# Altium PCB MB1364.PcbDoc (part 1 of 4) (continued)
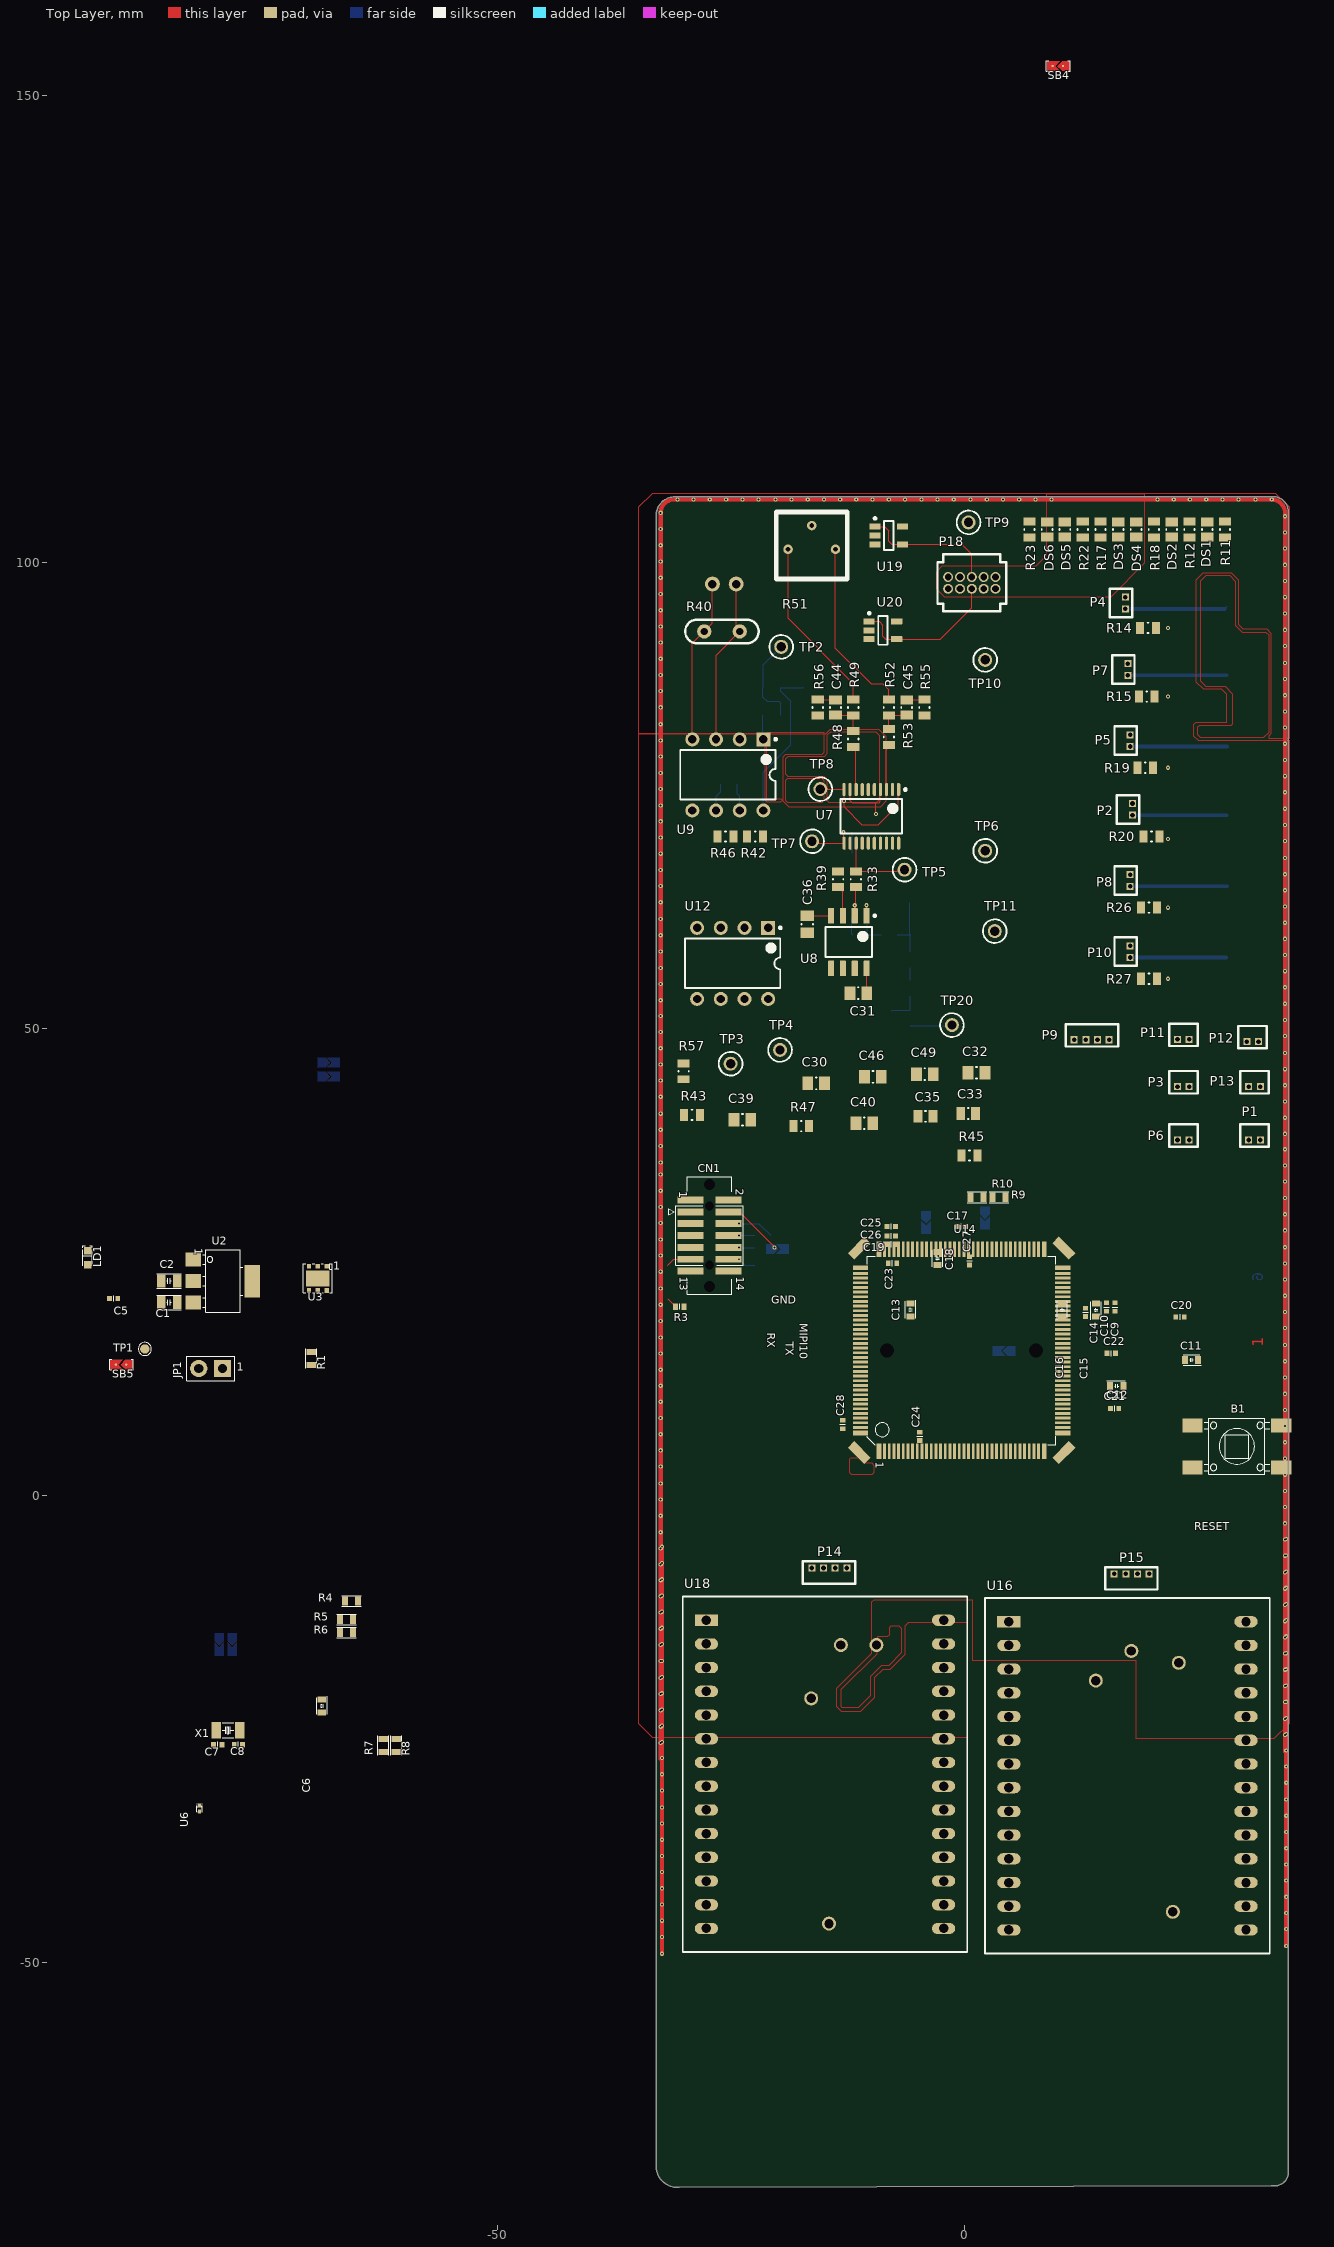
[diagram p0: Top Layer view]
## Classes and differential pairs
component class U_Levels: C50 C51 C52 C53 C54 C55 C56 C57 P14 P15 R58 R59 R60 R61 R62 R64 R65 R66 R67 R69 R70 R73 R74 R75 R77 R78 R79 R81 R82 R83 R84 TP12 TP13 TP14 TP15 TP16 TP17 TP18 TP19 U15 U16 U17 U18
component class U_SynchDemod: C29 C30 C31 C32 C33 C34 C35 C36 C37 C38 C39 C40 C41 C42 C44 C45 C46 C47 C48 C49 C58 C59 C60 C61 P17 P18 R31 R32 R33 R34 R35 R36 R37 R39 R40 R41 R42 R43 R44 R45 R46 R47 R48 R49 R51 R52 R53 R55 R56 R57 TP2 TP3 TP4 TP5 TP6 TP7 TP8 TP9 TP10 TP11 TP20 U7 U8 U9 U10 U11 U12 U13 U19 U20
component class U_Heater: DS1 DS2 DS3 DS4 DS5 DS6 P1 P2 P3 P4 P5 P6 P7 P8 P9 P10 P11 P12 P13 Q1 Q2 Q3 Q4 Q5 Q6 R11 R12 R13 R14 R15 R16 R17 R18 R19 R20 R21 R22 R23 R24 R25 R26 R27 R28 R29 R30
component class U_Connectors: SB1 SB3
component class U_MCU_144_IOs: B1 C6 C7 C8 HW3 HW9 HW11 R4 R5 R6 R7 R8 SB6 SB7 U6 U14 X1
component class U_MCU_144_POWER: C9 C10 C11 C12 C13 C14 C15 C16 C17 C18 C19 C20 C21 C22 C23 C24 C25 C26 C27 C28 HW13 R9 R10 SB8 SB9 SB10 SB11
component class U_Power_Board: C1 C2 C5 HW4 HW12 JP1 LD1 R1 SB4 SB5 TP1 U2 U3
component class U_ST_LINK_V3E: CN1 HW7 HW8 R3 U4 U5
net class PA[0..15]: PA0 PA1 PA2 PA3 PA4 PA5 PA6 PA7 PA8 PA9 PA10 PA11 PA12 PA13 PA14 PA15
net class PB[0..15]: PB0 PB1 PB2 PB3 PB4 PB5 PB6 PB7 PB8 PB9 PB10 PB11 PB12 PB13 PB14 PB15
net class PC[0..15]: PC0 PC1 PC2 PC3 PC4 PC5 PC6 PC7 PC8 PC9 PC10 PC11 PC12 PC13 PC14 PC15
net class PD[0..15]: PD0 PD1 PD2 PD3 PD4 PD5 PD6 PD7 PD8 PD9 PD10 PD11 PD12 PD13 PD14 PD15
net class PE[0..15]: PE0 PE1 PE2 PE3 PE4 PE5 PE6 PE7 PE8 PE9 PE10 PE11 PE12 PE13 PE14 PE15
net class PF[0..15]: PF0 PF1 PF2 PF3 PF4 PF5 PF6 PF7 PF8 PF9 PF10 PF11 PF12 PF13 PF14 PF15
net class PG[0..15]: PG0 PG1 PG2 PG3 PG4 PG5 PG6 PG7 PG8 PG9 PG10 PG11 PG12 PG13 PG14 PG15

## Components (designator, comment, footprint, x,y, rotation, side; value= is the part's Value field where it differs from the comment)
B1 "SW-PUSH-CMS" SWI_WEALTHMETAL_TD-0341_4P_BLACK 29.21,5.283 r270 top value=SWITCH
C1 "Capacitor" C0805 -85.165,20.707 r0 top value=10uF
C2 "Capacitor" C0805 -85.165,23.007 r0 top value=10uF
C5 "Capacitor" C0402 -91.11,21.122 r180 top value=100nF
C6 "Capacitor" C0603 -68.801,-22.516 r90 top value=100nF
C7 "Capacitor" C0402 -79.951,-26.666 r180 top value=5.1pF
C8 "Capacitor" C0402 -77.751,-26.666 r0 top value=5.1pF
C9 "Capacitor" C0402 16.144,20.215 r270 top value=100nF
C10 "Capacitor" C0402 15.244,20.215 r270 top value=100nF
C11 "Capacitor" C0603 24.345,14.54 r0 top value=2.2uF
C12 "Capacitor" C0603 16.344,11.746 r180 top value=2.2uF
C13 "Capacitor" C0603 -5.756,19.915 r90 top value=1uF
C14 "Capacitor" C0603 14.119,19.89 r270 top value=1uF
C15 "Capacitor" C0402 12.994,19.64 r90 top value=100nF
C16 "Capacitor" C0603 10.519,19.89 r270 top value=1uF
C17 "Capacitor" C0402 -0.318,28.84 r0 top value=100nF
C18 "Capacitor" C0603 -2.858,25.411 r90 top value=4.7uF
C19 "Capacitor" C0402 -7.811,26.935 r0 top value=100nF
C20 "Capacitor" C0402 23.126,19.137 r180 top value=100nF
C21 "Capacitor" C0402 16.116,9.333 r180 top value=100nF
C22 "Capacitor" C0402 15.76,15.251 r180 top value=100nF
C23 "Capacitor" C0402 -7.684,24.903 r0 top value=100nF
C24 "Capacitor" C0402 -4.763,6.361 r270 top value=100nF
C25 "Capacitor" C0402 -7.811,28.84 r0 top value=100nF
C26 "Capacitor" C0402 -7.811,27.824 r0 top value=100nF
C27 "Capacitor" C0402 0.571,25.157 r90 top value=100nF
C28 "Capacitor" C0402 -13.018,7.631 r270 top value=100nF
C29 "470nF" CAPC0805(2012)75_L -11.214,60.071 r0 bottom
C30 "CAP CER 0.1UF 25V X7R 0805" CAPC0805(2012)145_N -15.85,44.171 r0 top
C31 "CAP CER 0.1UF 25V X7R 0805" CAPC0805(2012)145_N -11.341,53.848 r180 top
C32 "CAP CER 0.1UF 25V X7R 0805" CAPC0805(2012)145_N 1.321,45.314 r0 top
C33 "1u" CAPC0805(2012)75_L 0.432,40.945 r180 top
C34 "1u" CAPC0805(2012)75_L -7.785,51.181 r90 bottom
C35 "1u" CAPC0805(2012)75_L -4.14,40.64 r180 top
C36 "CAP CER 0.1UF 25V X7R 0805" CAPC0805(2012)145_N -16.802,61.214 r270 top
C37 ".1u" CAPC0805(2012)75_L -4.991,60.071 r180 bottom
C38 "CAP CER 0.1UF 25V X7R 0805" CAPC0805(2012)145_N -25.184,76.2 r180 bottom
C39 "CAP CER 0.1UF 25V X7R 0805" CAPC0805(2012)145_N -23.749,40.284 r180 top
C40 "Multilayer Ceramic Capacitors MLCC - SMD/SMT 0.01uF 50volts 10% X7R" CAPC0805(2012)145_N -10.693,39.903 r0 top
C41 "CAP CER 0.1UF 25V X7R 0805" CAPC0805(2012)145_N -11.087,68.834 r0 bottom
C42 "CAP CER 0.1UF 25V X7R 0805" CAPC0805(2012)145_N -17.183,85.725 r90 bottom
C44 "CAP CER 1UF 25V X7R 0805" CAPC0805(2012)155_L -13.785,84.45 r270 top
C45 "CAP CER 1UF 25V X7R 0805" CAPC0805(2012)155_L -6.165,84.45 r270 top
C46 "CAP CER 0.1UF 25V X7R 0805" CAPC0805(2012)145_N -9.779,44.856 r0 top
C47 "CAP CER 0.1UF 25V X7R 0805" CAPC0805(2012)145_N -24.93,55.753 r180 bottom
C48 "CAP CER 0.1UF 25V X7R 0805" CAPC0805(2012)145_N -28.74,65.913 r180 bottom
C49 "Multilayer Ceramic Capacitors MLCC - SMD/SMT 0.01uF 50volts 10% X7R" CAPC0805(2012)145_N -4.216,45.161 r0 top
C50 "22uF" CAPC0805(2012)145_N 26.478,-14.32 r180 bottom
C51 "CAP CER 0.1UF 25V X7R 0805" CAPC0805(2012)145_N -5.907,-28.29 r270 bottom
C52 "CAP CER 0.1UF 25V X7R 0805" CAPC0805(2012)145_N 24.893,-34.407 r180 bottom
C53 "22uF" CAPC0805(2012)145_N 10.288,-29.962 r180 bottom
C54 "22uF" CAPC0805(2012)145_N -5.272,-14.955 r270 bottom
C55 "CAP CER 0.1UF 25V X7R 0805" CAPC0805(2012)145_N -6.222,-33.772 r180 bottom
C56 "CAP CER 0.1UF 25V X7R 0805" CAPC0805(2012)145_N -20.827,-26.787 r180 bottom
C57 "22uF" CAPC0805(2012)145_N -10.032,-22.342 r180 bottom
C58 "CAP CER 0.1UF 25V X7R 0805" CAPC0805(2012)145_N -7.435,103.5 r0 bottom
C59 "CAP CER 0.1UF 25V X7R 0805" CAPC0805(2012)145_N -8.205,93.34 r0 bottom
C60 "CAP CER 0.1UF 25V X7R 0805" CAPC0805(2012)145_N -3.625,90.8 r180 bottom
C61 "CAP CER 0.1UF 25V X7R 0805" CAPC0805(2012)145_N -2.832,104.394 r180 bottom
CN1 "Header 7x2" CON_STDC14_Receiver_MEDIUM_WITH_MIPI10_3D -27.291,27.874 r270 top value="MIPI10 on STDC14 footprint"
DS1 "LTST-S220KRKT" 0805C_L 26.035,103.505 r90 top
DS2 "LTST-S220KRKT" 0805C_L 22.225,103.505 r90 top
DS3 "LTST-S220KRKT" 0805C_L 16.51,103.505 r90 top
DS4 "LTST-S220KRKT" 0805C_L 18.415,103.505 r90 top
DS5 "LTST-S220KRKT" 0805C_L 10.795,103.505 r90 top
DS6 "LTST-S220KRKT" 0805C_L 8.89,103.505 r90 top
JP1 "Jumper_Header 2x1 Fitted" CON_SAMTEC_TSW-102-07-G-S -80.721,13.629 r180 top value="Shunt Fitted"
LD1 "LED_green" LED_0603_OSRAM_LG-Q396-PS-35_GREEN_1A2K_H0P4 -93.904,25.49 r90 top value=GREEN
P1 "0530470210" 0530470210 30.48,38.1 r0 top
P2 "0530470210" 0530470210 18.034,72.898 r90 top
P3 "0530470210" 0530470210 22.86,43.815 r0 top
P4 "0530470210" 0530470210 17.272,94.996 r90 top
P5 "0530470210" 0530470210 17.78,80.264 r90 top
P6 "0530470210" 0530470210 22.86,38.1 r0 top
P7 "0530470210" 0530470210 17.526,87.884 r90 top
P8 "0530470210" 0530470210 17.78,65.278 r90 top
P9 "0530470410" 0530470410 11.786,48.844 r0 top
P10 "0530470210" 0530470210 17.78,57.658 r90 top
P11 "0530470210" 0530470210 22.86,48.895 r0 top
P12 "0530470210" 0530470210 30.277,48.641 r0 top
P13 "0530470210" 0530470210 30.48,43.815 r0 top
P14 "0530470410" 0530470410 -12.572,-7.737 r180 top
P15 "0530470410" 0530470410 19.813,-8.372 r180 top
P17 "SSW-102-02-G-S-RA" SSW-102-02-G-S-RA -26.962,97.663 r0 bottom
P18 "FTSH-105-01-L-D-K" FTSH-105-01-XXX-D-K 0.82,97.785 r0 top
Q1 "NTD4804NT4G" ONSC-DPAK-3-369AA-01_V 25.4,95.29 r0 bottom
Q2 "NTD4804NT4G" ONSC-DPAK-3-369AA-01_V 25.4,87.79 r0 bottom
Q3 "NTD4804NT4G" ONSC-DPAK-3-369AA-01_V 25.4,80.29 r0 bottom
Q4 "NTD4804NT4G" ONSC-DPAK-3-369AA-01_V 25.4,72.79 r0 bottom
Q5 "NTD4804NT4G" ONSC-DPAK-3-369AA-01_V 25.4,65.29 r0 bottom
Q6 "NTD4804NT4G" ONSC-DPAK-3-369AA-01_V 25.4,57.79 r0 bottom
R1 "Resistor" R0603 -69.952,14.721 r270 top value=620R
R3 "Resistor" R0402 -30.466,20.254 r180 top value=100R
R4 "Resistor" R0603 -65.625,-11.275 r180 top value=10K
R5 "Resistor" R0603 -66.175,-13.25 r180 top value=10K
R6 "Resistor" R0603 -66.175,-14.65 r180 top value=10K
R7 "Resistor" R0603 -62.23,-26.735 r270 top value=0R
R8 "Resistor" R0603 -60.83,-26.735 r270 top value=0R
R9 "Resistor" R0603 3.73,31.965 r180 top value=0R
R10 "Resistor" R0603 1.38,31.965 r180 top value=0R
R11 "4.99K" RESC0805(2012)_L 27.94,103.505 r90 top
R12 "4.99K" RESC0805(2012)_L 24.13,103.505 r90 top
R13 "6.98K" RESC0805(2012)_N 31.105,39.775 r180 bottom
R14 "75" RESC0805(2012)_L 19.685,92.964 r0 top
R15 "75" RESC0805(2012)_L 19.558,85.598 r180 top
R16 "6.98K" RESC0805(2012)_N 23.495,46.355 r180 bottom
R17 "4.99K" RESC0805(2012)_L 14.605,103.505 r90 top
R18 "4.99K" RESC0805(2012)_L 20.32,103.505 r90 top
R19 "75" RESC0805(2012)_L 19.4,77.978 r0 top
R20 "75" RESC0805(2012)_L 20.066,70.612 r0 top
R21 "6.98K" RESC0805(2012)_N 23.495,40.64 r180 bottom
R22 "4.99K" RESC0805(2012)_L 12.7,103.505 r90 top
R23 "4.99K" RESC0805(2012)_L 6.985,103.505 r90 top
R24 "6.98K" RESC0805(2012)_N 14.961,44.78 r180 bottom
R25 "6.98K" RESC0805(2012)_N 10.795,45.085 r180 bottom
R26 "75" RESC0805(2012)_L 19.812,62.992 r0 top
R27 "75" RESC0805(2012)_L 19.812,55.372 r0 top
R28 "6.98K" RESC0805(2012)_N 23.495,50.8 r180 bottom
R29 "6.98K" RESC0805(2012)_N 30.48,51.435 r180 bottom
R30 "6.98K" RESC0805(2012)_N 31.115,45.72 r180 bottom
R31 "300K" RESC0805(2012)_L -11.214,61.976 r180 bottom
R32 "100k" RESC0805(2012)_L -4.991,63.5 r0 bottom
R33 "18.2K" RESC0805(2012)_L -11.595,66.04 r90 top
R34 "511k" RESC0805(2012)_L -8.039,60.071 r180 bottom
R35 "20k" RESC0805(2012)_L -5.753,57.404 r90 bottom
R36 "20k" RESC0805(2012)_L -5.753,54.356 r90 bottom
R37 "20k" RESC0805(2012)_L -5.753,51.181 r90 bottom
R39 "33K" RESC0805(2012)_L -13.5,66.04 r270 top
R40 "TBD" VH102K -24.041,92.583 r180 top
R41 "10K" RESC0805(2012)_L -24.676,64.897 r180 bottom
R42 "100K" RESC0805(2012)_L -22.39,70.612 r0 top
R43 "100K" RESC0805(2012)_L -29.159,40.792 r180 top
R44 "43.2K" RESC0805(2012)_L -8.547,74.295 r0 bottom
R45 "10K" RESC0805(2012)_L 0.584,36.449 r180 top
R46 "10K" RESC0805(2012)_L -25.565,70.612 r0 top
R47 "10K" RESC0805(2012)_L -17.45,39.599 r180 top
R48 "4.02K" RESC0805(2012)_L -11.88,81.06 r270 top
R49 "7.5K" RESC0805(2012)_L -11.88,84.45 r270 top
R51 "TRIMMER 5K OHM 0.25W PC PIN" "Trimmer 2.54" -18.865,101.38 r0 top
R52 "7.5K" RESC0805(2012)_L -8.07,84.45 r90 top
R53 "4.02K" RESC0805(2012)_L -8.07,81.275 r90 top
R55 "1M" RESC0805(2012)_L -4.26,84.45 r90 top
R56 "1M" RESC0805(2012)_L -15.69,84.45 r90 top
R57 "0" RESC0805(2012)_L -30.048,45.466 r90 top
R58 "100k" RESC0805(2012)_L 26.798,-43.297 r90 bottom
R59 "10k" RESC0805(2012)_L -15.747,-39.487 r90 bottom
R60 "1K" RESC0805(2012)_L 7.428,-14.32 r90 bottom
R61 "10k" RESC0805(2012)_L 7.428,-17.495 r270 bottom
R62 "50k" RESC0805(2012)_L -8.127,-44.567 r180 bottom
R64 "10k" RESC0805(2012)_L 11.238,-25.115 r270 bottom
R65 "10k" RESC0805(2012)_L 24.893,-38.852 r90 bottom
R66 "1.21k" RESC0805(2012)_L 19.813,-25.517 r90 bottom
R67 "250k" RESC0805(2012)_L 9.018,-36.947 r90 bottom
R69 "250k" RESC0805(2012)_L 10.923,-43.932 r90 bottom
R70 "10k" RESC0805(2012)_L 27.113,-28.29 r90 bottom
R73 "1K" RESC0805(2012)_L -23.052,-12.415 r180 bottom
R74 "10k" RESC0805(2012)_L -23.687,-17.495 r180 bottom
R75 "10k" RESC0805(2012)_L -11.622,-40.99 r180 bottom
R77 "24.3K" RESC0805(2012)_L -24.322,-23.21 r180 bottom
R78 "100k" RESC0805(2012)_L -24.002,-28.057 r90 bottom
R79 "250k" RESC0805(2012)_L -20.827,-46.472 r90 bottom
R81 "250k" RESC0805(2012)_L -24.322,-41.625 r180 bottom
R82 "10k" RESC0805(2012)_L -7.812,-37.18 r90 bottom
R83 "1.21k" RESC0805(2012)_L -24.322,-35.275 r90 bottom
R84 "10k" RESC0805(2012)_L -21.147,-37.815 r90 bottom
SB1 "SB_ON" SOLDER-BRIDGE_R0603-0R -68.062,44.907 r0 bottom
SB3 "SB_ON" SOLDER-BRIDGE_R0603-0R -68.062,46.407 r0 bottom
SB4 "SB_ON" SOLDER-BRIDGE_R0603-0R 10.084,153.151 r180 top
SB5 "SB_ON" SOLDER-BRIDGE_R0603-0R -90.266,14.047 r180 top
SB6 "SB_ON" SOLDER-BRIDGE_R0603-0R -79.801,-15.916 r270 bottom
SB7 "SB_ON" SOLDER-BRIDGE_R0603-0R -78.401,-15.916 r270 bottom
SB8 "SB_ON" SOLDER-BRIDGE_R0603-0R 4.254,15.505 r180 bottom
SB9 "SB_ON" SOLDER-BRIDGE_R0603-0R -20.003,26.427 r0 bottom
SB10 "SB_ON" SOLDER-BRIDGE_R0603-0R -4.077,29.272 r270 bottom
SB11 "SB_ON" SOLDER-BRIDGE_R0603-0R 2.222,29.729 r270 bottom
TP1 "Test Point" TP_SMD_1MM -87.766,15.722 r270 top
TP2 "5003" KSTN-5003 -19.596,90.932 r0 top
TP3 "5003" KSTN-5003 -25.019,46.279 r0 top
TP4 "5003" KSTN-5003 -19.723,47.752 r0 top
TP5 "5003" KSTN-5003 -6.388,67.056 r0 top
TP6 "5003" KSTN-5003 2.248,69.088 r0 top
TP7 "5003" KSTN-5003 -16.294,70.104 r0 top
TP8 "5003" KSTN-5003 -15.405,75.692 r0 top
TP9 "5003" KSTN-5003 0.47,104.267 r0 top
TP10 "5003" KSTN-5003 2.248,89.535 r90 top
TP11 "5003" KSTN-5003 3.277,60.477 r90 top
TP12 "DNP" KSTN-5003 22.353,-44.567 r90 bottom
TP13 "DNP" KSTN-5003 -16.382,-21.707 r90 bottom
TP14 "DNP" KSTN-5003 -14.477,-45.837 r90 bottom
TP15 "DNP" KSTN-5003 22.988,-17.897 r90 bottom
TP16 "DNP" KSTN-5003 -13.207,-15.992 r90 bottom
TP17 "DNP" KSTN-5003 14.098,-19.802 r90 bottom
TP18 "DNP" KSTN-5003 17.908,-16.627 r90 bottom
TP19 "DNP" KSTN-5003 -9.397,-15.992 r90 bottom
TP20 "5003" KSTN-5003 -1.308,50.419 r0 top
U2 "LD1117S50TR" REG_SOT223-TAB -79.415,22.987 r270 top
U3 "ST1L05CPU33R" ICC_DFN6-EPAD_3X3_P095 -69.24,23.281 r180 top value="ST1L05CPU33R 3.3V 1.3A"
U4 "ESDALC6V1W5" ESD_SOT323-5L -21.576,27.239 r90 bottom
U5 "ESDALC6V1W5" ESD_SOT323-5L -21.576,24.064 r270 bottom
U6 "ESD-TRANSIL" ESD_ST0201 -81.904,-33.519 r270 top value=ESDALC6V1-1U2
U7 "MAX333AEUP+" TSOP65P640X90-20N -9.944,72.771 r270 top
U8 "LPC662AIM" D0008A_M -12.357,59.309 r270 top
U9 "AD584KNZ" ADI-N-8 -25.311,77.216 r270 top
U10 "OPA188AIDBVR" DBV0005A_M -20.612,85.09 r90 bottom
U11 "LTC6994MPS6-2#TRMPBF" LTC6994MPS6-2#TRMPBF -11.976,72.644 r270 bottom
U12 "AD584KNZ" ADI-N-8 -24.803,57.023 r270 top
U13 "OPA188AIDBVR" DBV0005A_M -19.977,65.024 r90 bottom
U14 "STM32H7A3ZIT6" ICC_LQFP144_20X20_P050_SOCKET_YAMAICHI_IC149-144-145-B5_NM -0.279,15.57 r90 top value=STM32H7A3ZIT6U
U15 "LPC662AIM" D0008A_M -15.432,-30.83 r180 bottom
U16 "SA40012" SA40012 4.79,-13.495 r0 top
U17 "LPC662AIM" D0008A_M 16.003,-34.407 r180 bottom
U18 "SA40012" SA40012 -27.61,-13.335 r0 top
U19 "OPA188AIDBVR" DBV0005A_M -8.07,102.865 r0 top
U20 "OPA188AIDBVR" DBV0005A_M -8.705,92.705 r0 top
X1 "XTAL_2_PINS" CRY_NX3215SA_2P -78.851,-25.116 r180 top value="NX3215SA 32.768KHz"

## Footprints (in the part's own frame and the unit in brackets; to place one, negate y for a bottom-side part, rotate by r counter-clockwise, add the part's x,y. Pads: shape width x height; smd on the part's side, far side on the other; paste and mask are expansions set on the pad)
0805C_L [mm]
  rect 0.95x1.35 smd: 1(-0.8,0) 2(0.8,0)
  silkscreen extent -0.05,-0.58 0.05,0.58, body extent -1.1,-0.72 1.1,0.72, height 0.75
0530470210 [mm] "CONN HEADER VERT 2POS 1.25MM"
  rect 0.75x0.75 hole 0.5: 1(0,0) 2(1.25,0)
  silkscreen extent -0.9,-0.73 2.15,1.68
0530470410 [mm] "CONN HEADER VERT 4POS 1.25MM"
  rect 0.75x0.75 hole 0.5: 1(0,0) 2(1.25,0) 3(2.5,0) 4(3.75,0)
  silkscreen extent -0.9,-0.73 4.7,1.68
ADI-N-8 [mm] "DIP, 8-Leads, Body 9.59x6.6mm, Pitch 2.54mm"
  rect 1.5x1.5 hole 0.9: 1(-3.81,3.81)
  round 1.5 hole 0.9: 2(-3.81,1.27) 3(-3.81,-1.27) 4(-3.81,-3.81) 5(3.81,-3.81) 6(3.81,-1.27) 7(3.81,1.27) 8(3.81,3.81)
  silkscreen extent -3.93,-5.1 2.65,5.24, body extent -3.95,-5.07 3.95,5.07, height 5.33
C0402 [mm]
  rect 0.51x0.56 smd mask+0.05: 1(-0.45,0) 2(0.45,0)
  silkscreen extent 0,-0.3 0,0.3, body extent -0.5,-0.3 0.5,0.3, height 0.4
C0603 [mm]
  rect 0.64x0.89 smd mask+0.05: 1(-0.7,0) 2(0.7,0)
  silkscreen extent -0.9,-0.55 1.05,0.55, body extent -0.9,-0.5 0.9,0.5, height 1.4
C0805 [mm]
  rect 0.9x1.4 smd mask+0.05: 1(-0.85,0) 2(0.85,0)
  silkscreen extent -1.3,-0.77 1.3,0.77, body extent -1.1,-0.7 1.1,0.7, height 1.35
CAPC0805(2012)75_L [mm] "Chip Capacitor, Body 2.0x1.2mm, Height 0.75mm, IPC High Density"
  rect 0.95x1.35 smd: 1(-0.8,0) 2(0.8,0)
  silkscreen extent -0.05,-0.58 0.05,0.58, body extent -1.1,-0.72 1.1,0.72, height 0.75
CAPC0805(2012)145_N [mm] "Chip Capacitor, Body 2.0x1.2mm, Height 1.45mm, IPC Medium Density"
  rect 1.15x1.45 smd: 1(-0.9,0) 2(0.9,0)
  silkscreen extent -0.05,-0.62 0.05,0.63, body extent -1.1,-0.72 1.1,0.73, height 1.45
CAPC0805(2012)155_L [mm] "Chip Capacitor, Body 2.0x1.2mm, Height 1.55mm, IPC High Density"
  rect 0.95x1.35 smd: 1(-0.8,0) 2(0.8,0)
  silkscreen extent -0.05,-0.58 0.05,0.58, body extent -1.1,-0.72 1.1,0.72, height 1.55
CON_SAMTEC_TSW-102-07-G-S [mm]
  rect 1.85x1.85 / inner round 1.85 / far side rect 1.85x1.85 hole 1 mask+0.05: 1(-1.27,0)
  round 1.85 hole 1 mask+0.05: 2(1.27,0)
  silkscreen extent -2.58,-1.3 2.58,1.3, body extent -2.67,-1.3 2.58,1.3, height 8.38
CON_STDC14_Receiver_MEDIUM_WITH_MIPI10_3D [mm] "compatible with FTSH-105-01-L-DV,-K and FTSH-107-01-L-DV,-K,-A,-P,-ES"
  round 0 hole 1.19 unplated mask+0.05: 0(-5.445,0) 0(5.445,0)
  round 0 hole 0.97 unplated mask+0.05: 0(-3.175,0) 0(3.175,0)
  rect 0.74x2.79 smd mask+0.05: 1(-3.81,-2.032) 2(-3.81,2.032) 3(-2.54,-2.032) 4(-2.54,2.032) 5(-1.27,-2.032) 6(-1.27,2.032) 7(0,-2.032) 8(0,2.032) 9(1.27,-2.032) 10(1.27,2.032) 11(2.54,-2.032) 12(2.54,2.032) 13(3.81,-2.032) 14(3.81,2.032)
  silkscreen extent -6.3,-4.38 6.3,3.6, body extent -6.3,-2.92 6.3,2.92, height 6.6
CRY_NX3215SA_2P [mm]
  rect 1x1.8 smd mask+0.05: 1(-1.25,0) 2(1.25,0)
  silkscreen extent -0.63,-0.8 0.63,0.8, body extent -1.65,-0.8 1.65,0.8, height 0.9
D0008A_M [mm] "SOIC, 8-Leads, Body 5x4mm, Pitch 1.27mm, IPC Low Density"
  rrect15% 1.65x0.65 smd: 1(-2.825,1.905) 2(-2.825,0.635) 3(-2.825,-0.635) 4(-2.825,-1.905) 5(2.825,-1.905) 6(2.825,-0.635) 7(2.825,0.635) 8(2.825,1.905)
  silkscreen extent -2.95,-2.5 1.6,2.91, body extent -3,-2.45 3,2.45, height 1.63
DBV0005A_M [mm] "SOT23, 5-Leads, Body 3.05x1.75mm, Pitch 0.95mm, IPC Low Density"
  rrect15% 1.2x0.65 smd: 1(-1.475,0.95) 2(-1.475,0) 3(-1.475,-0.95) 4(1.475,-0.95) 5(1.475,0.95)
  silkscreen extent -1.6,-1.55 0.5,1.95, body extent -1.42,-1.46 1.42,1.46, height 1.08
ESD_SOT323-5L [mm]
  rect 0.4x1.2 smd mask+0.05: 1(-0.65,-0.85) 2(0,-0.85) 3(0.65,-0.85) 4(0.65,0.85) 5(-0.65,0.85)
  silkscreen extent -1.22,-1.21 1.22,0.77, body extent -1.15,-1.05 1.15,1.05, height 1.1
ESD_ST0201 [mm]
  rect 0.425x0.33 smd mask+0.05: 1(-0.312,0) 2(0.312,0)
  silkscreen extent -0.55,-0.3 0.33,0.3, body extent -0.34,-0.18 0.34,0.18, height 0.34
FTSH-105-01-XXX-D-K [mil]
  round 42 hole 28 mask+3: 1(-100,-25) 2(-100,25) 3(-50,-25) 4(-50,25) 5(0,-25) 6(0,25) 7(50,-25) 8(50,25) 9(100,-25) 10(100,25)
  silkscreen extent -145,-120 145,120
ICC_DFN6-EPAD_3X3_P095 [mm]
  rect 0.45x0.5 smd mask+0.05: 1(-0.95,-1.3) 2(0,-1.3) 3(0.95,-1.3) 4(0.95,1.3) 5(0,1.3) 6(-0.95,1.3)
  rect 2.5x1.7 smd mask+0.05: EP(0,0)
  silkscreen extent -1.55,-1.55 1.55,1.55, body extent -1.55,-1.55 1.55,1.55, height 1
ICC_LQFP144_20X20_P050_SOCKET_YAMAICHI_IC149-144-145-B5_NM [mm]
  rect 1x2.5 smd rot 45 mask+0.05: 0(-10.96,-10.96) 0(10.96,10.96)
  rect 1x2.5 smd rot 135 mask+0.05: 0(-10.96,10.96) 0(10.96,-10.96)
  round 0 hole 1.5 unplated mask+0.05: 0(0,8) 0(0,-8)
  rect 1.65x0.5 smd mask+0.05: 1(-10.825,8.85) 36(-10.825,-8.85) 73(10.825,-8.85) 108(10.825,8.85)
  rect 1.65x0.3 smd mask+0.05: 2(-10.825,8.25) 3(-10.825,7.75) 4(-10.825,7.25) 5(-10.825,6.75) 6(-10.825,6.25) 7(-10.825,5.75) 8(-10.825,5.25) 9(-10.825,4.75) 10(-10.825,4.25) 11(-10.825,3.75) 12(-10.825,3.25) 13(-10.825,2.75) 14(-10.825,2.25) 15(-10.825,1.75) 16(-10.825,1.25) 17(-10.825,0.75) 18(-10.825,0.25) 19(-10.825,-0.25) 20(-10.825,-0.75) 21(-10.825,-1.25) 22(-10.825,-1.75) 23(-10.825,-2.25) 24(-10.825,-2.75) 25(-10.825,-3.25) 26(-10.825,-3.75) 27(-10.825,-4.25) 28(-10.825,-4.75) 29(-10.825,-5.25) 30(-10.825,-5.75) 31(-10.825,-6.25) 32(-10.825,-6.75) 33(-10.825,-7.25) 34(-10.825,-7.75) 35(-10.825,-8.25) 74(10.825,-8.25) 75(10.825,-7.75) 76(10.825,-7.25) 77(10.825,-6.75) 78(10.825,-6.25) 79(10.825,-5.75) 80(10.825,-5.25) 81(10.825,-4.75) 82(10.825,-4.25) 83(10.825,-3.75) 84(10.825,-3.25) 85(10.825,-2.75) 86(10.825,-2.25) 87(10.825,-1.75) 88(10.825,-1.25) 89(10.825,-0.75) 90(10.825,-0.25) 91(10.825,0.25) 92(10.825,0.75) 93(10.825,1.25) 94(10.825,1.75) 95(10.825,2.25) 96(10.825,2.75) 97(10.825,3.25) 98(10.825,3.75) 99(10.825,4.25) 100(10.825,4.75) 101(10.825,5.25) 102(10.825,5.75) 103(10.825,6.25) 104(10.825,6.75) 105(10.825,7.25) 106(10.825,7.75) 107(10.825,8.25)
  rect 0.5x1.65 smd mask+0.05: 37(-8.85,-10.825) 72(8.85,-10.825) 109(8.85,10.825) 144(-8.85,10.825)
  rect 0.3x1.65 smd mask+0.05: 38(-8.25,-10.825) 39(-7.75,-10.825) 40(-7.25,-10.825) 41(-6.75,-10.825) 42(-6.25,-10.825) 43(-5.75,-10.825) 44(-5.25,-10.825) 45(-4.75,-10.825) 46(-4.25,-10.825) 47(-3.75,-10.825) 48(-3.25,-10.825) 49(-2.75,-10.825) 50(-2.25,-10.825) 51(-1.75,-10.825) 52(-1.25,-10.825) 53(-0.75,-10.825) 54(-0.25,-10.825) 55(0.25,-10.825) 56(0.75,-10.825) 57(1.25,-10.825) 58(1.75,-10.825) 59(2.25,-10.825) 60(2.75,-10.825) 61(3.25,-10.825) 62(3.75,-10.825) 63(4.25,-10.825) 64(4.75,-10.825) 65(5.25,-10.825) 66(5.75,-10.825) 67(6.25,-10.825) 68(6.75,-10.825) 69(7.25,-10.825) 70(7.75,-10.825) 71(8.25,-10.825) 110(8.25,10.825) 111(7.75,10.825) 112(7.25,10.825) 113(6.75,10.825) 114(6.25,10.825) 115(5.75,10.825) 116(5.25,10.825) 117(4.75,10.825) 118(4.25,10.825) 119(3.75,10.825) 120(3.25,10.825) 121(2.75,10.825) 122(2.25,10.825) 123(1.75,10.825) 124(1.25,10.825) 125(0.75,10.825) 126(0.25,10.825) 127(-0.25,10.825) 128(-0.75,10.825) 129(-1.25,10.825) 130(-1.75,10.825) 131(-2.25,10.825) 132(-2.75,10.825) 133(-3.25,10.825) 134(-3.75,10.825) 135(-4.25,10.825) 136(-4.75,10.825) 137(-5.25,10.825) 138(-5.75,10.825) 139(-6.25,10.825) 140(-6.75,10.825) 141(-7.25,10.825) 142(-7.75,10.825) 143(-8.25,10.825)
  silkscreen extent -10.1,-10.1 10.1,10.1, body extent -11,-11 11,11, height 1.6
KSTN-5003 [mm] "Test Point, Through Hole, Dia 2.54mm"
  round 1.5 hole 1: 1(0,0)
  silkscreen extent -1.27,-1.27 1.27,1.27, body extent -1.27,-1.27 1.27,1.27, height 4.57
LED_0603_OSRAM_LG-Q396-PS-35_GREEN_1A2K_H0P4 [mm]
  rect 0.8x0.8 smd mask+0.05: 1(-0.75,0) 2(0.75,0)
  silkscreen extent -0.85,-0.53 1.28,0.53, body extent -0.85,-0.45 0.85,0.45, height 0.6
LTC6994MPS6-2#TRMPBF [mm] "SOT23, 6-Leads, Body 2.90x3.23mm, Pitch 0.95mm, IPC Medium Density"
  rect 1.4x0.55 smd: 1(-1.575,0.95) 2(-1.575,0) 3(-1.575,-0.95) 4(1.575,-0.95) 5(1.575,0) 6(1.575,0.95)
  silkscreen extent -1.7,-1.5 0.5,1.9, body extent -1.92,-1.5 1.93,1.5, height 1
ONSC-DPAK-3-369AA-01_V [mm] "DPAK, 3-Leads, Body 6.54x6.095mm, Pitch 2.29mm"
  rect 3x1.6 smd: 1(-4.4,2.29) 3(-4.4,-2.29)
  rect 6.2x5.8 smd: 4(2.8,0)
  silkscreen extent -4.52,-3.27 -0.45,3.76, body extent -1.6,-3.27 4.49,3.27, height 2.47
R0402 [mm]
  rect 0.51x0.7 smd mask+0.05: 1(-0.45,0) 2(0.45,0)
  silkscreen extent 0,-0.3 0,0.3, body extent -0.52,-0.3 0.52,0.3, height 0.4
R0603 [mm]
  rect 0.64x1 smd mask+0.05: 1(-0.7,0) 2(0.7,0)
  silkscreen extent -1.05,-0.58 1.05,0.58, body extent -0.9,-0.5 0.9,0.5, height 0.56
REG_SOT223-TAB [mm]
  rect 1.5x1.65 smd mask+0.05: 1(-2.3,-3.175) 2(0,-3.175) 3(2.3,-3.175)
  rect 3.5x1.65 smd mask+0.05: 4(0,3.175)
  silkscreen extent -3.35,-2.15 3.35,2.12, body extent -3.35,-3.48 3.35,3.48, height 1.8
RESC0805(2012)_L [mm] "Chip Resistor, Body 2.0x1.3mm, IPC High Density"
  rect 0.85x1.3 smd: 1(-0.85,0) 2(0.85,0)
  silkscreen extent -0.05,-0.55 0.05,0.55, body extent -1.1,-0.67 1.1,0.68, height 0.7
RESC0805(2012)_N [mm] "Chip Resistor, Body 2.0x1.3mm, IPC Medium Density"
  rect 1.05x1.4 smd: 1(-0.95,0) 2(0.95,0)
  silkscreen extent -0.05,-0.6 0.05,0.6, body extent -1.1,-0.67 1.1,0.68, height 0.7
SA40012 [mm]
  rect 2.5x1.2 hole 1.016: 1(0,0)
  oval 2.5x1.2 hole 1.016: 2(0,-2.54) 3(0,-5.08) 4(0,-7.62) 5(0,-10.16) 6(0,-12.7) 7(0,-15.24) 8(0,-17.78) 9(0,-20.32) 10(0,-22.86) 11(0,-25.4) 12(0,-27.94) 13(0,-30.48) 14(0,-33.02) 15(25.4,-33.02) 16(25.4,-30.48) 17(25.4,-27.94) 18(25.4,-25.4) 19(25.4,-22.86) 20(25.4,-20.32) 21(25.4,-17.78) 22(25.4,-15.24) 23(25.4,-12.7) 24(25.4,-10.16) 25(25.4,-7.62) 26(25.4,-5.08) 27(25.4,-2.54) 28(25.4,0)
  silkscreen extent -2.54,-35.56 27.94,2.54
SOLDER-BRIDGE_R0603-0R [mil]
  round 10 smd paste-393.7: 1(-19.69,0) 2(23.62,0)
  Top Layer region: -47.24,-19.69 -47.24,19.68 -15.75,19.68 3.94,0 -15.75,-19.69 -47.24,-19.69
  Top Layer region: -5.91,19.68 13.78,0 -5.91,-19.69 47.24,-19.69 47.24,19.68 -5.91,19.68
  silkscreen extent -50,-23 50,23, body extent -36,-20 36,20, height 22
SSW-102-02-G-S-RA [mm]
  round 1.6 hole 0.91: 1(0,0) 2(2.54,0)
  silkscreen extent -1.78,-8.13 4.32,1.27, body extent -1.52,-8.06 4.06,0.44, height 3.21
SWI_WEALTHMETAL_TD-0341_4P_BLACK [mm]
  rect 1.52x2.16 smd mask+0.05: 1(-2.25,-4.75) 2(-2.25,4.75) 3(2.25,-4.75) 4(2.25,4.75)
  silkscreen extent -3,-3.5 3,3.5, body extent -3,-5.15 3,5.15, height 7.55
TP_SMD_1MM [mm]
  round 1 smd paste-10 mask+0.05: 1(0,0)
  silkscreen extent -0.7,-0.7 0.7,0.7
"Trimmer 2.54" [mil]
  round 40 hole 20: 1(0,0) 2(100,100) 3(200,0)
  silkscreen extent -50,-125 250,158, body extent -60,-126 260,200, height 175
TSOP65P640X90-20N [mm] "TSOP, 20-Leads, Body 6.50x4.40mm, Pitch 0.65mm, IPC Medium Density"
  oval 1.4x0.35 smd: 1(-2.875,2.925) 2(-2.875,2.275) 3(-2.875,1.625) 4(-2.875,0.975) 5(-2.875,0.325) 6(-2.875,-0.325) 7(-2.875,-0.975) 8(-2.875,-1.625) 9(-2.875,-2.275) 10(-2.875,-2.925) 11(2.875,-2.925) 12(2.875,-2.275) 13(2.875,-1.625) 14(2.875,-0.975) 15(2.875,-0.325) 16(2.875,0.325) 17(2.875,0.975) 18(2.875,1.625) 19(2.875,2.275) 20(2.875,2.925)
  silkscreen extent -3,-3.3 1.85,3.78, body extent -2.25,-3.3 2.25,3.3, height 0.9
VH102K [mil] "Hermetically Sealed High Precision Resistor"
  round 60 hole 30: 1(0,0) 2(149.61,0)
  silkscreen extent -80,-50 230,50

## Part data
B1: library part MCD-00001, "Non-Open Push-Button 0.1A 24V BLACK", Manufacturer=WEALTHMETAL, Manufacturer_Part_Number=TD-0341, ComponentLink1Description=Datasheet, ComponentLink1URL=http://tunmcdsvn.tun.st.com/Component_Datasheet_Library/Trunk/Misc/Wealthmetal_Tact-Switch_TD0341, ECCN_EU=n/a, ECCN_US=n/a, Internal_Part_Number=MCD-00001, Part_Type=Misc, Provided_By=SUBCO, Status=Released
C1 C2: library part MCD-00014, "Capacitor, MLCC, 10uF, 25V, X5R, 10%, 0805, T=0,85mm", Manufacturer=YAGEO, Manufacturer_Part_Number=CC0805KRX5R8BB106, Package=C0805, ComponentLink1Description=Datasheet, ComponentLink1URL=http://tunmcdsvn.tun.st.com/Component_Datasheet_Library/Trunk/Capacitors/Yageo_Multilayer_capacitor_X5R_series_100pF_to_100uF, ECCN_EU=NEC, ECCN_US=EAR99, Internal_Part_Number=MCD-00014, Part_Type=Capacitor, Provided_By=SUBCO, Status=Released
C5 C9 C10: library part MCD-00006, "Capacitor, MLCC, 100nF, 16V, X7R, 10%, 0402, T=0.5mm", Alternate_Manufacturer=MURATA, Alternate_Manufacturer_Part_Number=GCM155R71C104KA55D, Manufacturer=YAGEO, Manufacturer_Part_Number=CC0402KRX7R7BB104, Package=C0402, ComponentLink1Description=Datasheet, ComponentLink1URL=http://tunmcdsvn.tun.st.com/Component_Datasheet_Library/Trunk/Capacitors/Yageo_Multilayer_Capacitor_X7R_series_100pF_to_22uF, ECCN_EU=NEC, ECCN_US=EAR99, Internal_Part_Number=MCD-00006, Part_Type=Capacitor, Provided_By=SUBCO, Status=Released
C6: library part MCD-00237, "Capacitor, MLCC, 100nF, 6V3, X5R, 10%, 0603, T=0,8mm", Manufacturer=YAGEO, Manufacturer_Part_Number=CC0603KRX5R5BB104, Package=C0603, ComponentLink1Description=Datasheet, ComponentLink1URL=http://tunmcdsvn.tun.st.com/Component_Datasheet_Library/Trunk/Capacitors/Yageo_Multilayer_capacitor_X5R_series_100pF_to_100uF, ECCN_EU=NEC, ECCN_US=EAR99, Internal_Part_Number=MCD-00237, Part_Type=Capacitor, Provided_By=SUBCO, Status=Released
C7 C8: library part MCD-00003, "Capacitor, MLCC, 5.1pF, 50V, NPO, +-0.25pF, 0402, T=0.5mm", Manufacturer=YAGEO, Manufacturer_Part_Number=CC0402CRNPO9BN5R1, Package=C0402, ComponentLink1Description=Datasheet, ComponentLink1URL=http://tunmcdsvn.tun.st.com/Component_Datasheet_Library/Trunk/Capacitors/Yageo_Capacitor_NP0_16V-to-50V, ECCN_EU=NEC, ECCN_US=EAR99, Internal_Part_Number=MCD-00003, Part_Type=Capacitor, Provided_By=SUBCO, Status=Released
C11 C12: library part MCD-00012, "Capacitor, MLCC, 2.2uF, 10V, X5R, 10%, 0603, T=0,8mm", Alternate_Manufacturer=KEMET, Alternate_Manufacturer_Part_Number=C0603C225K8PACTU, Manufacturer=YAGEO, Manufacturer_Part_Number=CC0603KRX5R6BB225, Package=C0603, ComponentLink1Description=Datasheet, ComponentLink1URL=http://tunmcdsvn.tun.st.com/Component_Datasheet_Library/Trunk/Capacitors/Yageo_Multilayer_capacitor_X5R_series_100pF_to_100uF, ECCN_EU=NEC, ECCN_US=EAR99, Internal_Part_Number=MCD-00012, Part_Type=Capacitor, Provided_By=SUBCO, Status=Released
C13 C14 C16: library part MCD-00238, "Capacitor, MLCC, 1uF, 6V3, X5R, 10%, 0603, T=0,8mm", Manufacturer=YAGEO, Manufacturer_Part_Number=CC0603KRX5R5BB105, Package=C0603, ComponentLink1Description=Datasheet, ComponentLink1URL=http://tunmcdsvn.tun.st.com/Component_Datasheet_Library/Trunk/Capacitors/Yageo_Multilayer_capacitor_X5R_series_100pF_to_100uF, ECCN_EU=NEC, ECCN_US=EAR99, Internal_Part_Number=MCD-00238, Part_Type=Capacitor, Provided_By=SUBCO, Status=Released
C15 C17 C19 C20 C21 C22 C23 C24 C25 C26 C27 C28: library part MCD-01123, "[obsolete] Capacitor, MLCC,100nF, 10V, X7R, 10%, 0402, T=0.5mm", Manufacturer=MURATA, Manufacturer_Part_Number=NRND_GRM155R71A104KA01, Package=C0402, ComponentLink1Description=Datasheet, ComponentLink1URL=http://tunmcdsvn.tun.st.com/Component_Datasheet_Library/Trunk/Capacitors/Murata_Capacitor_GR_series, ECCN_EU=NEC, ECCN_US=EAR99, Internal_Part_Number=MCD-01123, Part_Type=Capacitor, Provided_By=SUBCO, Status=Obsolete
C18: library part MCD-01121, "Capacitor, MLCC, 4.7µF, 10V, X5R, 20%, 0603, T=0,8mm", Manufacturer=MURATA, Manufacturer_Part_Number=GRM188R61A475ME15, Package=C0603, ComponentLink1Description=Datasheet, ComponentLink1URL=http://tunmcdsvn.tun.st.com/Component_Datasheet_Library/Trunk/Capacitors/Murata_Capacitor_GR_series, ECCN_EU=NEC, ECCN_US=EAR99, Internal_Part_Number=MCD-01121, Part_Type=Capacitor, Provided_By=SUBCO, Status=Released
C29: library part CMP-1036-02117-1, "CAP CER 0.47UF 25V X7R 0805", Manufacturer="Murata Electronics North America", Manufacturer Part Number=GRM219R71E474KA88D, Operating Temperature="-55°C ~ 125°C", Package / Case="0805 (2012 Metric)", Ratings=-, Supplier Part Number 1=490-11584-1-ND, Temperature Coefficient=X7R, Tolerance=±10%, Voltage - Rated=25V, Applications="General Purpose", Category=Capacitors, ComponentLink1Description=https://www.murata.com/~/media/webrenewal/support/library/catalog/products/capacitor/mlcc/c02e.ashx?la=en-us, ComponentLink1URL=https://www.murata.com/~/media/webrenewal/support/library/catalog/products/capacitor/mlcc/c02e.ashx?la=en-us, Features=-, Height - Seated (Max)=-, Lead Spacing=-, Lead Style=-, Mounting Type="Surface Mount, MLCC", Packaging="Cut Tape (CT)", Part Status=Active, Pricing 1="1=0.38, 10=0.262, 100=0.1573, 500=0.118, 1000=0.09964 (USD)", RoHS="RoHS Compliant", Size / Dimension="0.079\" L x 0.049\" W (2.00mm x 1.25mm)", Stock 1=410, Supplier 1=Digi-Key, Thickness (Max)="0.037\" (0.95mm)"
C30 C31 C32 C36 C38 C39 C41 C46 C47 C48 C51 C52 C55 C56 C58 C59 C60 C61: library part CMP-1036-04795-1, Capacitance=0.1µF, Manufacturer="Murata Electronics North America", Manufacturer Part Number=GRM21BR71E104KA01L, Operating Temperature="-55°C ~ 125°C", Package / Case="0805 (2012 Metric)", Ratings=-, Supplier Part Number 1=490-1673-6-ND, Temperature Coefficient=X7R, Tolerance=±10%, Voltage - Rated=25V, Applications="General Purpose", Category=Capacitors, ComponentLink1Description=http://www.murata.com/~/media/webrenewal/support/library/catalog/products/capacitor/mlcc/c02e.ashx, ComponentLink1URL=http://www.murata.com/~/media/webrenewal/support/library/catalog/products/capacitor/mlcc/c02e.ashx, Features=-, Height - Seated (Max)=-, Lead Spacing=-, Lead Style=-, Mounting Type="Surface Mount, MLCC", Packaging=Digi-Reel®, Part Status=Active, Pricing 1="1=0.2, 10=0.145, 100=0.0683, 500=0.04788, 1000=0.03964 (USD)", RoHS="RoHS Compliant", Size / Dimension="0.079\" L x 0.049\" W (2.00mm x 1.25mm)", Stock 1=891652, Supplier 1=Digi-Key, Thickness (Max)="0.053\" (1.35mm)"
C33 C34 C35 C37: library part CMP-1036-02117-1, "CAP CER 22UF 25V X5R 0805"
C40 C49: library part CMP-1036-04795-1, Capacitance=10nF, Case/Package=0805, Case Code (Metric)=2012, Dielectric=X7R, Dielectric Material=Ceramic, Manufacturer=Kemet, Manufacturer Part Number=C0805C103K5RACAUTO, Max Operating Temperature=125°C, Min Operating Temperature=-55°C, Package Quantity=1, Supplier Part Number 1=399-6924-1-ND, Tolerance=10%, Voltage Rating=50V, Case Code (Imperial)=0805, ComponentLink1Description=https://datasheet.ciiva.com/22700/1693454-22700519.pdf, ComponentLink1URL=https://datasheet.ciiva.com/22700/1693454-22700519.pdf, ComponentLink2Description=https://datasheet.ciiva.com/7842/1693454-7842175.pdf, ComponentLink2URL=https://datasheet.ciiva.com/7842/1693454-7842175.pdf, Contact Plating=Tin, Depth=1.25mm, Height=0.78mm, Length=2mm, Mount="Surface Mount", Packaging="Tape and Reel", Pricing 1="1=0.12, 10=0.087, 100=0.041, 500=0.0287, 1000=0.0238 (USD)", Radiation Hardening=No, REACH SVHC="No SVHC", Stock 1=63236, Supplier 1=Digi-Key, Termination=SMD/SMT, Thickness=0.035inch, Voltage Rating (DC)=50V, Width=0.049inch
C42: library part CMP-1036-04795-1, "CAP CER 0.1UF 50V X7R 0805", Capacitance=100nF, Case/Package=0805, Case Code (Metric)=2012, Dielectric=X7R, Dielectric Material=Ceramic, Insulation Resistance=100GR, Manufacturer="Kyocera AVX", Manufacturer Part Number=08055C104MAT2A, Max Operating Temperature=125°C, Min Operating Temperature=-55°C, Package Quantity=1, Tolerance=20%, Voltage=50V, Case Code (Imperial)=0805, ComponentLink1Description=http://catalogs.avx.com/SurfaceMount.pdf?src-supplier=Digi-Key, ComponentLink1URL=http://catalogs.avx.com/SurfaceMount.pdf?src-supplier=Digi-Key, ComponentLink2Description=http://www.avx.com/docs/catalogs/cx7r.pdf?src-supplier=Avnet, ComponentLink2URL=http://www.avx.com/docs/catalogs/cx7r.pdf?src-supplier=Avnet, ComponentLink3Description=https://www.alliedelec.com/m/d/a24bb5190bea413b2ff164816f55e87c.pdf?src-supplier=Allied+Electronics, ComponentLink3URL=https://www.alliedelec.com/m/d/a24bb5190bea413b2ff164816f55e87c.pdf?src-supplier=Allied+Electronics, ComponentLink4Description=http://www.avx.com/docs/catalogs/cx7r.pdf?src-supplier=Avnet+Europe, ComponentLink4URL=http://www.avx.com/docs/catalogs/cx7r.pdf?src-supplier=Avnet+Europe, ComponentLink5Description=http://www.farnell.com/datasheets/2095836.pdf?src-supplier=Element14, ComponentLink5URL=http://www.farnell.com/datasheets/2095836.pdf?src-supplier=Element14, ComponentLink6Description=http://www.farnell.com/datasheets/1679506.pdf?src-supplier=Element14, ComponentLink6URL=http://www.farnell.com/datasheets/1679506.pdf?src-supplier=Element14, ComponentLink7Description=http://avx.com/docs/Catalogs/cx7r.pdf?src-supplier=Element14, ComponentLink7URL=http://avx.com/docs/Catalogs/cx7r.pdf?src-supplier=Element14, Contact Plating=Tin,Matte, Depth=1.25mm, Dissipation Factor=2.5%, Height=0.94mm, Lead Free="Lead Free", Length=2.01mm, Mount="Surface Mount,PCB", Number of Pins=2, Packaging="Tape and Reel", Pricing 1="4000=0.0342, 4000=0.0275, 1=0.2382, 10=0.1755, 25=0.1579, 100=0.0827, 250=0.0677, 500=0.0524, 1000=0.0433, 3000=0.0365 (USD)", Radiation Hardening=No, REACH SVHC="No SVHC", Stock 1=751786, Supplier 1=Arrow, Supplier Part Number 1=08055C104MAT2A, Termination=SMD/SMT, Thickness=0.037inch, Voltage Rating=50V, Voltage Rating (DC)=50V, Width=0.049inch